# KiCad board visionboard.kicad_pcb (continued)
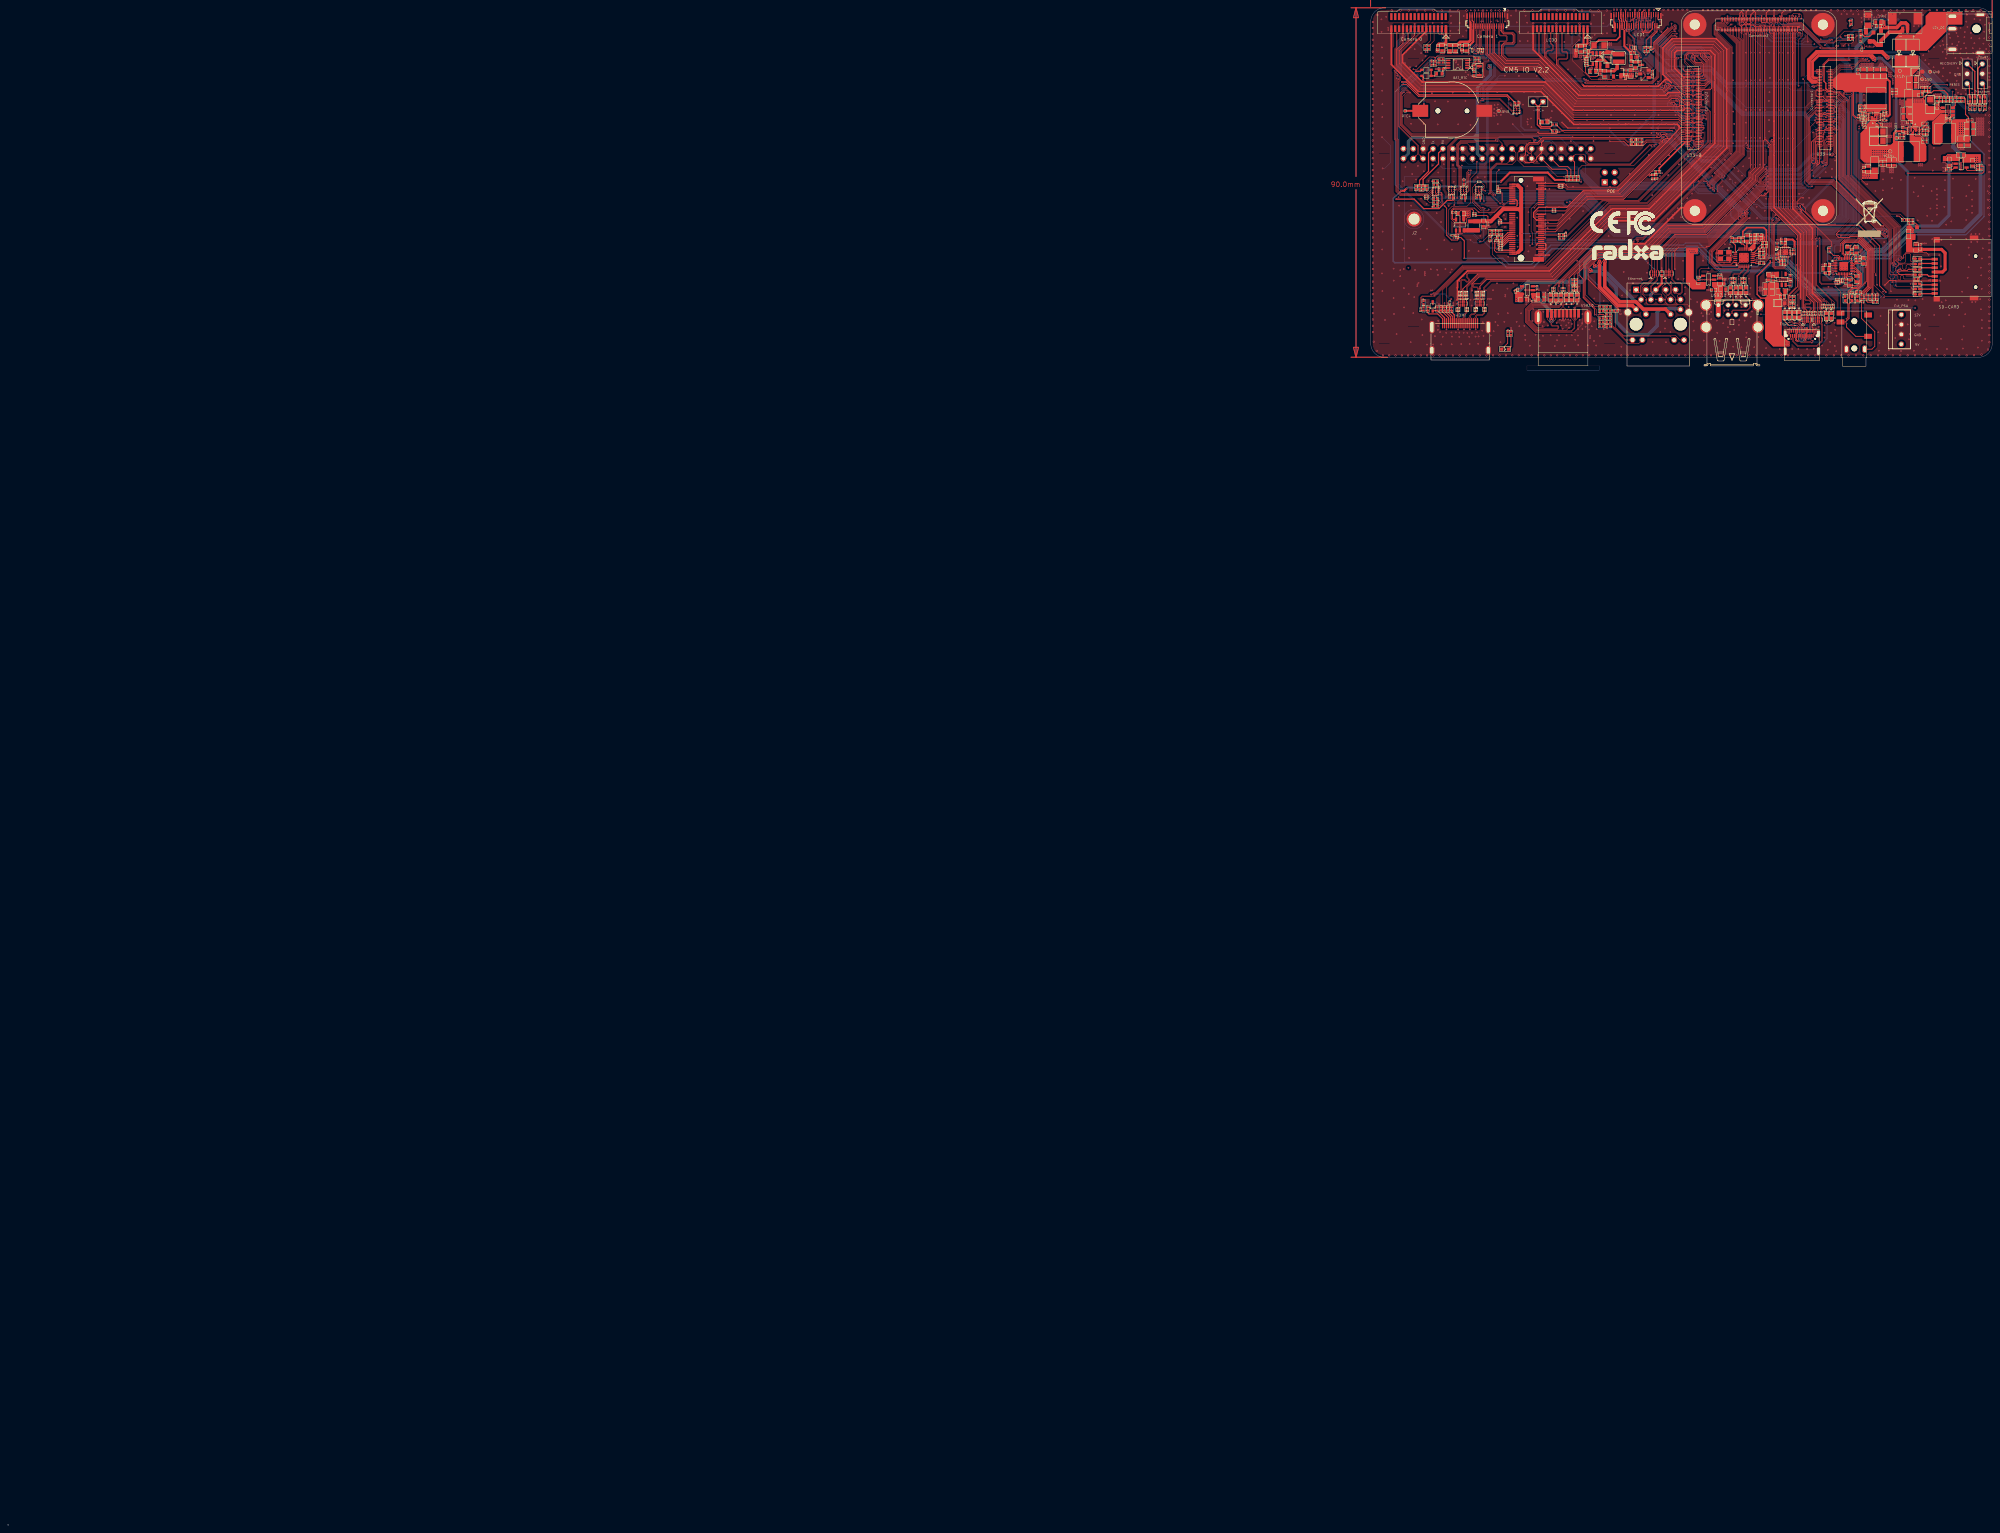
[diagram p0: board, top side]
## Routing (per net, layer and track width the routed paths; a pad name or vN(x,y) marks a point on that pad's centre or on a via; arc(x,y) is an arc through that point) (continued)
USB2_DM: length 5.5
  Top w0.1: U17.9 446.76,323.89 446.91,323.74 446.91,323.39 445.91,322.39 444.49,322.39 444.16,322.06 444.16,321.46 443.96,321.27 L5012.4 443.96,321.09 443.83,320.95 443.83,320.97 R253.1
USB2_DP: length 5.5
  Top w0.1: U17.10 447.26,323.92 447.11,323.77 447.11,323.29 446.01,322.19 444.57,322.19 444.36,321.98 444.36,321.43 444.51,321.27 L5012.3 444.51,321.09 444.64,320.95 444.64,320.97 R254.1
USB3_DM: length 85.3
  Top w0.1: v1(426.96,356.67) 426.96,356.47 414.43,343.94 401.48,343.94 400.86,344.57 FB261.1 ; v1(447.08,337.44) 446.93,337.29 446.93,336.84 438.23,328.14 438.23,325.22 439.73,323.72 445.63,323.72 445.76,323.85 U17.7
  Top w0.2: R95142.2 400.46,344.56 FB261.1
  Bottom w0.1: v1(426.96,356.67) 426.96,356.52 428.08,356.52 447.15,337.45 v1(447.08,337.44)
USB3_DP: length 85.8
  Top w0.1: U17.8 446.26,323.85 445.93,323.52 439.63,323.52 438.03,325.12 438.03,328.24 446.73,336.94 446.73,337.14 v1(446.58,337.29) ; FB261.2 400.61,345.12 401.58,344.14 414.33,344.14 426.46,356.27 v1(426.46,356.52)
  Top w0.2: R95141.2 400.46,345.13 FB261.2
  Bottom w0.1: v1(426.46,356.52) 426.66,356.32 427.98,356.32 446.71,337.59 446.71,337.29 v1(446.58,337.29)
USB4_DM: length 59.5
  Top w0.1: v1(426.41,357.51) 425.46,356.56 421.86,356.56 421.44,356.14 420.73,356.14 420.63,356.04 R95611.2 ; U17.5 444.5,325.68 443.6,324.77 439.78,324.77 439.01,325.55 439.01,327.89 447.93,336.82 447.93,337.87 v1(448.08,338.02)
  Bottom w0.1: v1(426.41,357.51) 426.41,357.66 427.65,357.66 447.23,338.08 448.08,338.08 v1(448.08,338.02)
USB4_DP: length 59.8
  Top w0.1: v1(425.91,357.52) 425.91,357.3 425.38,356.77 421.78,356.77 421.36,356.34 420.73,356.34 420.63,356.44 R95610.1 ; v1(447.8,338.44) 447.73,338.37 447.73,336.9 438.81,327.98 438.81,325.47 439.7,324.57 443.69,324.57 444.29,325.18 U17.6
  Bottom w0.1: v1(447.8,338.44) 447.64,338.28 447.32,338.28 427.74,357.86 426.25,357.86 v1(425.91,357.52)
USB20_HOST0_DM: length 69.6
  Top w0.1: U17.14 449.61,325.68 449.75,325.82 452.85,325.82 453.71,326.68 453.71,355.19 v1(453.46,355.44) ; J24.65 447.96,385.18 447.96,384.69 448.06,384.59 448.06,355.54 v1(447.88,355.37)
  Bottom w0.1: v1(447.88,355.37) 447.81,355.37 447.81,355.29 453.31,355.29 v1(453.46,355.44)
USB20_HOST0_DP: length 68.6
  Top w0.1: J24.63 448.37,384.73 448.26,384.62 448.26,355.07 v1(448.11,354.92) ; v1(453.33,354.94) 453.51,354.77 453.51,326.78 452.75,326.02 449.76,326.02 449.61,326.18 U17.15
  Bottom w0.1: v1(453.33,354.94) 453.18,355.09 448.28,355.09 v1(448.11,354.92)
USB20_HOST1_DM: length 97.5
  Top w0.1: J24.47 451.56,385.18 451.56,384.72 451.66,384.62 451.66,349.87 449.55,347.76 449.55,346.63 436.66,333.74 427.78,333.74 422.23,328.19 409.33,328.19 403.26,322.12 403.26,321.04 R95552.1
USB20_HOST1_DP: length 97.5
  Top w0.1: J24.45 451.97,384.7 451.86,384.59 451.86,349.77 449.75,347.66 449.75,346.55 436.74,333.54 427.86,333.54 422.31,327.99 409.43,327.99 403.46,322.02 403.46,320.99 R95551.1
USB30_2_SSRXN: length 101.1
  Top w0.1: J24.59 449.17,384.68 449.28,384.57 449.28,349.59 448.15,348.46 448.15,347.21 436.09,335.15 427.17,335.15 421.62,329.59 408.56,329.59 397.86,318.89 397.86,318.67 R91181.1
USB30_2_SSRXP: length 101
  Top w0.1: R91182.1 398.06,318.62 398.06,318.79 408.66,329.39 421.7,329.39 427.26,334.95 436.17,334.95 448.35,347.13 448.35,348.36 449.48,349.49 449.48,384.59 449.58,384.69 449.58,385.18 J24.57
USB30_2_SSTXN: length 100.4
  Top w0.1: J24.53 450.36,385.18 450.36,384.69 450.46,384.59 450.46,349.72 448.85,348.11 448.85,346.92 436.38,334.45 427.49,334.45 421.94,328.89 408.98,328.89 400.33,320.24 400.33,318.69 C2280.1
USB30_2_SSTXP: length 100.4
  Top w0.1: J24.51 450.77,384.7 450.66,384.59 450.66,349.62 449.05,348.01 449.05,346.84 436.46,334.25 427.57,334.25 422.02,328.69 409.08,328.69 400.53,320.14 400.53,318.69 C2281.1
USB_HOST_PWREN_H: length 188.1
  Top w0.1: U33.97 469.25,374.39 v1(468.43,374.39) ; v1(474.23,367.92) 474.23,347.69 487.43,334.49 487.43,326.69 v1(487.58,326.54) ; v1(387.83,317.94) R91375.2 ; R95555.1 435.48,323.19 436.01,323.72 v1(437.91,323.72)
  Top w0.2: U90115.4 389.88,318.62 389.66,318.39 R95579.1 388.38,318.39 388.23,318.24 R91375.2 ; U90128.4 436.43,321.77 436.08,321.57 435.96,321.44 R95555.1
  Bottom w0.1: v1(487.58,326.54) 487.16,326.97 485.75,326.97 484.75,325.97 479.24,325.97 477.88,324.61 477.88,318.81 475.64,316.57 464.6,316.57 456.93,324.24 453.69,324.24 451.94,322.49 440.76,322.49 439.53,323.72 v1(437.91,323.72) 437.91,325.31 434.62,328.59 432.75,328.59 431.95,327.79 407.79,327.79 405.03,325.04 405.03,321.75 404.1,320.82 390.71,320.82 v1(387.83,317.94) ; v1(468.43,374.39) 468.43,371.89 468.76,371.57 471.28,371.57 473.53,369.32 473.53,368.42 474.03,367.92 v1(474.23,367.92)
USBC_D+: length 12.2
  Top w0.1: J8202.B6 461.98,306.31 461.98,305.74 v1(461.83,305.59) ; J8202.A6 461.74,308 461.88,308.14 461.88,308.42 460.88,309.42 459.71,309.42 459.21,309.92 459.21,310.57 ESD2706.1 459.26,311.66 459.26,313.46 L90020.3 459.16,313.63 459.02,313.76 459.02,313.74 R95547.2
  Bottom w0.1: v1(461.83,305.59) 461.83,308.24 v1(461.73,308.34)
USBC_D-: length 10.5
  Top w0.1: J8202.B7 461.49,306.68 461.78,306.97 461.96,306.97 462.18,307.19 462.18,307.54 J8202.A7 462.24,307.98 462.08,308.14 462.08,308.52 460.98,309.62 459.81,309.62 459.41,310.02 459.41,310.54 459.96,311.09 ESD27052.1 459.49,311.66 459.49,313.23 459.71,313.44 L90020.4 459.71,313.74 R95546.2
USBHP_1N: length 9.5
  Top w0.1: USB2502.2 399.43,312.85 400.33,313.74 400.33,314.14 400.68,314.49 402.93,314.49 403.18,314.74 403.18,316.23 D90032.1 403.13,317.33 403.13,317.77 403.08,317.82 L90026.3 403.08,318.09 R95553.2
USBHP_1P: length 9.5
  Top w0.1: USB2502.3 401.43,312.85 400.53,313.75 400.53,314.04 400.78,314.29 403.03,314.29 403.43,314.69 403.43,316.2 D90031.1 403.92,316.8 403.63,317.09 L90026.4 403.63,317.98 403.76,318.11 403.76,318.09 R95550.2
VD33: length 3.4
  Top w0.25: U17.20 447.76,329.21 ; 447.76,330.65 C83.2
  Top w0.4: 447.76,329.21 447.76,330.65 C83.2 447.83,330.64 L3.1
WIFI_HOST_WAKE: length 118.9
  Top w0.1: v1(392.53,329.92) 392.53,332.84 392.21,333.17 392.21,338.94 393.87,340.6 U4301.21
  Top w0.2: R95613.1 486.96,337.14 v1(486.36,337.14)
  Bottom w0.1: v1(486.36,337.14) 480.05,337.14 472.52,329.61 472.52,327.58 471.03,326.09 470.31,326.09 469.88,326.52 469.88,329.72 469.68,329.92 454.42,329.92 452.8,331.54 421.66,331.54 420.26,330.14 405.98,330.14 405.91,330.22 393.38,330.22 393.08,329.92 v1(392.53,329.92)
WIFI_LED: length 148.1
  Top w0.1: v1(474.26,375.94) 474.26,375.92 471.7,375.92 469.76,373.98 U33.95 ; R95583.1 384.91,342.99 384.91,340.57 v1(385.16,340.32)
  Bottom w0.1: v1(385.16,340.32) 385.31,340.47 400.33,340.47 401.06,339.74 405.98,339.74 413.56,332.17 453.06,332.17 454.71,330.52 471.51,330.52 475.71,334.72 475.71,370.94 474.11,372.54 474.11,375.79 v1(474.26,375.94)
WIFI_PWR_EN: length 142.4
  Top w0.1: v1(429.36,384.69) 428.45,384.69 424.91,381.15 424.91,372.99 423.31,371.39 406.75,371.39 405.84,372.3 405.84,372.55 v1(405.83,372.54) ; v1(456.28,388.64) 456.38,388.54 456.38,387.84 J24.24 ; R95239.1 371.26,332.19 371.01,332.44 371.01,338.79 371.87,339.64 375.68,339.64 376.63,340.59 376.63,346.92 378.26,348.54 v1(378.26,351.14)
  Power w0.1: v1(429.36,384.69) 429.9,384.69 431.33,383.27 443.18,383.27 444.7,381.74 456.21,381.74 456.36,381.89 456.36,388.57 v1(456.28,388.64)
  Bottom w0.1: v1(378.26,351.14) 378.46,350.94 380.18,350.94 380.66,351.42 380.66,369.61 383.59,372.54 v1(405.83,372.54)
WIFI_REG_ON: length 27
  Top w0.1: v1(393.08,339.32) 393.86,340.1 U4301.23 ; 377.83,345.19 377.06,344.42 377.06,340.72 379.28,338.49 380.96,338.49 v1(381.28,338.82) ; 377.83,345.19 v1(377.83,345.17) ; 377.83,345.19 R95587.2 ; v1(377.86,343.89) U90135.B1
  Bottom w0.1: v1(377.86,343.89) 377.86,345.14 v1(377.83,345.17) ; v1(381.28,338.82) 381.28,339.09 381.51,339.32 v1(393.08,339.32)
WIFI_REG_ON_E: length 121.5
  Top w0.1: R95587.1 379.28,345.94 380.13,345.09 380.13,344.34 379.78,343.99 v1(379.73,344.04) 379.38,344.04 U90135.B3 ; v1(470.21,360.24) 470.07,360.38 U33.27
  Bottom w0.1: v1(379.73,344.04) 379.73,343.57 380.26,343.04 380.73,343.04 380.96,343.27 407.28,343.27 408.36,342.19 416.21,342.19 417.88,343.87 434.2,343.87 435.2,342.87 440.37,342.87 443.48,339.76 443.48,337.21 445.32,335.37 459.21,335.37 471.48,347.64 471.48,359.49 470.73,360.24 v1(470.21,360.24)
XRSTJ: length 2.2
  Top w0.25: U17.16 449.69,326.68 450.03,327.02 450.77,327.02 R106.2
N05021: length 7.5
  Top w0.5: C3.2 425.84,319.71 J3.5
  Bottom w0.8: J3.5 423.05,316.92 J3.4
N05653: length 6.6
  Top w0.051: 410.51,312.79 410.7,312.79 ; 410.55,312.82 410.74,312.82 ; 410.61,312.9 410.8,312.9 ; 410.65,312.57 410.84,312.57 ; 410.53,312.69 410.72,312.69 ; 410.48,312.77 410.67,312.77 ; 410.57,312.86 410.76,312.86 ; 410.65,312.93 410.84,312.93 ; 410.5,312.72 410.69,312.72 ; 410.56,312.67 410.75,312.67 ; 410.47,312.74 410.66,312.74 ; 410.58,312.64 410.77,312.64 ; 410.61,312.6 410.8,312.6
  Top w0.1: R6.2 D4.2 410.78,312.82 410.86,312.74 R8.2 ; R8.2 R5.2 ; R8.2 R9.1
N07070: length 7.8
  Top w0.051: 491.9,321.98 492.09,321.98 ; 491.87,322.08 492.06,322.08 ; 491.97,321.89 492.16,321.89 ; 491.97,322.18 492.16,322.18 ; 491.83,322.03 492.02,322.03 ; 491.95,321.93 492.14,321.93 ; 491.93,322.14 492.12,322.14 ; 491.85,322.06 492.04,322.06 ; 492.01,322.22 492.2,322.22 ; 491.91,322.11 492.1,322.11 ; 492.01,321.85 492.2,321.85 ; 491.86,322 492.05,322 ; 491.92,321.95 492.11,321.95
  Top w0.3: R11.2 492.33,321.52 492.33,322.03 ED12.1 494.21,322.04 494.61,321.64 CN14A1.5
N07124: length 101.8
  Top w0.051: 491.92,316.9 492.11,316.9 ; 491.97,316.84 492.16,316.84 ; 492.01,317.17 492.2,317.17 ; 491.91,317.06 492.1,317.06 ; 491.87,317.03 492.06,317.03 ; 491.86,316.95 492.05,316.95 ; 491.93,317.09 492.12,317.09 ; 491.9,316.93 492.09,316.93 ; 491.83,316.98 492.02,316.98 ; 491.85,317.01 492.04,317.01 ; 491.95,316.88 492.14,316.88 ; 491.97,317.13 492.16,317.13 ; 492.01,316.8 492.2,316.8
  Top w0.1: v1(471.18,332.44) 476.76,332.44 480.48,328.73 480.48,319.37 483.33,316.52 491.87,316.52 ED9.1 ; v1(467.83,381.14) 468.38,381.69 470.18,381.69 470.81,382.32 474.46,382.32 R90334.2 R4203.1
  Top w0.3: ED9.1 492.51,317.16 496.15,317.16 CN14A1.9
  Bottom w0.1: v1(467.83,381.14) 468.06,381.14 473.01,376.19 473.01,372.16 474.71,370.46 474.71,335.6 471.55,332.44 v1(471.18,332.44)
N29602: length 4.3
  Top w0.25: U17.17 449.63,327.18 450.02,327.57 C89.1
  Top w0.3: R94.2 451.93,329.37 451.9,329.37 451.08,328.54 451.11,328.54 R97.2 C89.1
N29722: length 2.2
  Top w0.1: Y1.1 443.23,327.84 444.4,326.68 U17.3
N29870: length 4.9
  Top w0.1: U17.4 444.45,326.18 444.08,326.54 444.08,326.71 443.74,327.04 441.93,327.04 441.58,326.69 441.47,326.14 Y1.3
N29956: length 2
  Top w0.25: R102.1 450.06,324.99 449.87,325.18 U17.13
N42094: length 2.6
  Top w0.25: R147.1 492.53,357.84 491.28,357.84 491.16,357.97 U27.8
N42102: length 0.9
  Top w0.25: C129.1 R147.2
N42228: length 21.1
  Top w0.25: 489.81,356.22 490.86,355.17 490.86,351.27 490.88,351.24 493.51,351.24 493.86,351.59 493.86,355.07 493.23,355.69 C129.2 492.68,356.77 492.68,357.17 492.36,357.49 490.98,357.49 490.66,357.82 U27.7 490.66,358.94 489.81,358.09 489.81,356.22
N42868: length 2.7
  Top w0.25: U27.11 492.61,359.34 R152.2 493.23,359.98 493.22,359.98 494.04,360.8 494.04,360.96 494.03,360.96 R149.1
N42932: length 2.7
  Top w0.5: R151.1 492.93,369.32 C141.1 R154.2 R153.2
N43092: length 2.1
  Top w0.25: R155.2 C143.1
  Top w0.253: U27.6 488.33,358.34 C143.1
N43384: length 8.2
  Top w0.25: v1(488.63,359.87) 488.72,359.84 U27.3 ; R156.1 v1(494.68,359.02)
  Bottom w0.25: v1(488.63,359.87) 488.63,359.69 490.05,358.27 493.93,358.27 v1(494.68,359.02)
N43388: length 2.2
  Top w0.25: R156.2 C144.1 492.83,358.22 492.71,358.34 U27.9
N43676: length 20
  Top w0.25: C145.2 498.01,360.52 498.01,356.22 497.48,355.69 495.88,355.69 495.61,355.97 495.61,361.32 497.68,363.39 497.98,363.39 U29.6
  Top w0.5: U29.6 499.18,363.14 C145.2
N43804: length 1.8
  Top w0.5: C145.1 499.98,362.29 U29.1
N46864: length 14.4
  Top w0.051: 363.62,344.75 363.62,344.94 ; 363.29,344.79 363.29,344.98 ; 363.58,344.72 363.58,344.91 ; 363.53,344.67 363.53,344.86 ; 363.51,344.63 363.51,344.82 ; 363.45,344.62 363.45,344.81 ; 363.43,344.65 363.43,344.84 ; 363.33,344.75 363.33,344.94 ; 363.48,344.61 363.48,344.8 ; 363.4,344.68 363.4,344.87 ; 363.66,344.79 363.66,344.98 ; 363.56,344.7 363.56,344.89 ; 363.37,344.71 363.37,344.9
  Top w0.3: CON1.8 365.81,353.35 365.81,348.67 363.48,346.34 D49.2 R167.1
N46956: length 15.1
  Top w0.051: 364.51,344.72 364.51,344.91 ; 364.38,344.62 364.38,344.81 ; 364.43,344.63 364.43,344.82 ; 364.29,344.71 364.29,344.9 ; 364.41,344.61 364.41,344.8 ; 364.35,344.65 364.35,344.84 ; 364.55,344.75 364.55,344.94 ; 364.58,344.79 364.58,344.98 ; 364.25,344.75 364.25,344.94 ; 364.21,344.79 364.21,344.98 ; 364.33,344.68 364.33,344.87 ; 364.48,344.7 364.48,344.89 ; 364.46,344.67 364.46,344.86
  Top w0.3: CON1.10 368.38,353.38 368.38,350.59 364.41,346.62 D48.2 R168.1
N87861: length 5.4
  Top w0.3: J1.18 369.93,310.97 C1.1 366.88,312.82 D1.2
N113472: length 0.6
  Top w0.1: C90425.1 380.03,316.52 L5003.4
N113574: length 0.7
  Top w0.1: C90426.1 R953.2 379.55,317.07 L5003.3
N113748: length 0.6
  Top w0.1: L5004.4 R954.2 C90427.1
N113850: length 0.6
  Top w0.1: L5004.3 378.03,317.02 R955.2 C90420.1
N114042: length 0.6
  Top w0.1: L5005.4 375.66,316.47 C90421.1
N114144: length 0.6
  Top w0.1: L5005.3 375.18,316.46 C90422.1
N114322: length 0.6
  Top w0.1: C90424.1 374.18,316.44 L5006.4
N114424: length 0.6
  Top w0.1: R959.2 373.68,316.44 C90423.1
N131672: length 5.7
  Top w0.1: U4301.50 384.4,333.35 C90399.1 R95159.1 R95581.2 R95155.2
N131914: length 3.4
  Top w0.25: R95147.2 384.81,330.77 386.39,332.35 U4301.54
N131962: length 3.5
  Top w0.25: U4301.56 386.38,331.85 384.7,330.17 384.58,330.17 R95148.2
N132002: length 3.5
  Top w0.25: U4301.58 386.39,331.35 384.63,329.6 384.58,329.6 R95149.2
N132062: length 3.6
  Top w0.25: R95150.2 384.58,329.02 384.6,329.02 386.43,330.85 U4301.60
N132134: length 2.8
  Top w0.3: U4301.70 384.67,328.35 R95152.2
N132294: length 2.7
  Top w0.5: U90077.3 377.48,333.47
  Top w0.7: 377.48,333.47 L5011.1
N132462: length 2.5
  Top w0.1: R95239.2 C269.1 372.88,332.19
  Top w0.3: R95209.2 C269.1 ; 372.88,332.19 U90077.1
N132478: length 10.1
  Top w0.2: R95210.1 371.95,338.59 372.31,338.94 377.01,338.94 377.33,338.62 R95281.2 C266.2
  Top w0.25: U90077.5 372.2,336.27 371.95,336.52 R95210.1
N135689: length 4.9
  Top w0.1: R95141.1 399.26,345.13 FB261.3 399.11,345.12 398.96,344.97 395.61,344.97 395.48,345.1 U4301.3
N135722: length 5
  Top w0.1: U4301.5 395.51,344.6 395.67,344.77 398.93,344.77 399.13,344.57 FB261.4 399.62,344.57 R95142.1
N135883: length 7.2
  Top w0.1: U4301.35 394.14,337.1 393.98,336.94 393.51,336.94 393.33,337.12 393.33,337.84 393.93,338.44 397.66,338.44 C90392.2
N135887: length 7.9
  Top w0.1: C90393.2 397.66,338.64 393.83,338.64 393.13,337.94 393.13,337.02 393.41,336.74 394.01,336.74 394.15,336.6 U4301.37
N136147: length 4.9
  Top w0.1: U4301.53 395.48,332.6 395.76,332.32 R95144.2
N136159: length 5.1
  Top w0.1: R95146.2 398.9,332.1 U4301.55
N138588: length 2.9
  Top w0.3: R95143.2 384.47,335.35 U4301.42
N139019: length 3.5
  Top w0.25: U4301.52 386.18,332.85 384.85,331.52 R95145.2
N146153: length 6.2
  Top w0.25: R95467.2 423.11,383.12 424.63,384.64 U90104.2
N146193: length 6.8
  Top w0.1: R95468.2 421.81,380.84 421.81,382.52 424.03,384.74 U90104.4
N146409: length 111.7
  Top w0.1: R95469.2 364.36,342.37 358.51,342.37 357.41,343.47 357.41,356.57 357.06,356.92 v1(357.06,374.62) ; U90104.23 418.33,387.77 v1(418.18,387.62)
  Bottom w0.1: v1(418.18,387.62) 418.14,387.58 418.08,387.64 413.33,387.64 411.78,386.09 361.6,386.09 357.61,382.1 357.61,375.17 v1(357.06,374.62)
N146477: length 110.6
  Top w0.1: v1(417.78,387.29) 417.73,387.34 U90104.25 ; R95470.2 364.73,342.57 358.61,342.57 357.61,343.57 357.61,356.67 357.26,357.02 357.26,374.07 v1(357.41,374.22)
  Bottom w0.1: v1(357.41,374.22) 357.81,374.62 357.81,382.02 361.68,385.89 411.88,385.89 413.28,387.29 v1(417.78,387.29)
N146511: length 6.2
  Top w0.1: R95471.2 418.91,380.89 418.91,382.82 417.51,384.22 417.51,386.09 U90104.26
N146519: length 9.1
  Top w0.1: U90104.27 417.13,385.42 417.31,385.24 417.31,384.14 418.71,382.74 418.71,380.89 R95472.2
N16719677: length 6.8
  Top w0.1: J5002.20 379.73,385.24 379.26,384.77 379.26,380.67 379.18,380.59 C750.2 379.76,380.09 R715.2
N16719795: length 9
  Top w0.1: R814.2 378.56,380.82 378.83,381.09 J5002.23
N16719909: length 9.4
  Top w0.1: R95580.2 377.03,380.47 378.03,381.47 378.03,384.94 377.63,385.34 J5002.27
N16722445: length 15.4
  Top w0.2: R95039.1 406.18,374.19 407.26,373.12 409.18,373.12 409.56,373.49 409.56,374.09 C90410.1
  Top w0.6: U90082.6 410.01,374.64 C90410.1 410.16,374.49 C90408.1
  Top w0.7: C90408.1 413.58,374.49 Q9514.3
  Top w0.8: Q9514.3 414.38,376.92 L5000.1
N16722481: length 5.3
  Top w0.6: D5000.1 411.86,379.23 410.01,379.23 U90082.1
  Top w0.8: L5000.2 413.68,378.82 413.13,379.37 D5000.1
N16722531: length 6.9
  Top w0.1: Q9514.1 413.43,372.92 413.98,372.37 416.46,372.37 R95041.2 418.91,372.49 419.31,372.89 R95044.1
N16722773: length 3
  Top w0.2: R95137.2 R95578.2 R95039.2 408.11,375.89 U90082.4
N16722853: length 1
  Top w0.1: R95044.2 420.28,373.79 Q9515.3
N16722887: length 2
  Top w0.4: R95072.2 R95071.1 408.11,379.32 U90082.3
N16723025: length 2.4
  Top w0.1: R95042.2 423.81,373.69 423.81,373.18 423.52,372.89 R95043.1 422.76,372.89 422.68,372.82 Q9515.1
N16723155: length 1.5
  Top w0.4: 406.68,378.24 R95072.1 ; 406.68,378.24 406.33,378.24 C90448.1 ; 406.68,378.24 R95073.2
N16734367: length 2.8
  Top w0.25: R95115.1 478.21,364.44 478.63,364.02 480.01,364.02 480.16,363.87 U1.8
N16734375: length 0.9
  Top w0.25: R95115.2 C90489.1
N16734501: length 13.8
  Top w0.25: R95121.1 477.61,363.7 477.34,363.97 476.66,363.97 476.48,364.15 476.48,365.72 476.61,365.84 477.33,365.84 477.82,365.35 477.81,365.35 C90489.2 478.78,364.37 480.28,364.37 480.66,363.99 U1.7 480.66,362.84 480.96,363.14 481.53,363.14 481.53,363.67 482.31,364.44 482.31,365.27 L5002.1
N16734773: length 2.8
  Top w0.25: R95122.1 477.81,360.14 478.26,360.59 C90487.1 R95114.2 478.86,361.94 U1.12
N16734781: length 2.1
  Top w0.25: C90481.1 476.66,363.19 R95121.2 477.59,363.19 477.59,363.18 478.21,362.57 R95118.1
N16735007: length 2.4
  Top w0.25: R95120.2 R95116.1 478.08,361.87 R95118.2 478.44,362.07 478.82,362.44 U1.11
N16735153: length 9
  Top w0.25: R95113.1 v1(483.86,361.77) ; C90482.1 478.21,363.67 v1(478.56,363.59) 478.71,363.44 U1.9 ; R95119.1 v1(483.88,363.44)
  Bottom w0.25: v1(483.86,361.77) 483.86,363.42 v1(483.88,363.44) 483.73,363.59 v1(478.56,363.59)
N16735287: length 0.9
  Top w0.25: R95113.2 482.96,361.79 482.68,361.79 482.53,361.94 U1.3
N16735291: length 1.4
  Top w0.25: U1.6 482.33,363.44 R95119.2 R95117.1
N16750686: length 1.2
  Top w0.1: R95546.1 459.87,314.54 459.87,314.53 459.71,314.69 L90020.1 459.71,315.34 R91188.2
N16750718: length 1.1
  Top w0.1: R95547.1 459.01,314.54 459.01,314.54 459.16,314.68 L90020.2 459.16,315.39 R91189.2
N16754417: length 1.1
  Top w0.3: R91193.1 392.68,319.09 U90115.3
N16755970: length 1.1
  Top w0.1: R95551.2 403.63,319.72 L90026.1 403.63,319.03 403.77,318.89 403.77,318.89 R95550.1
N16756054: length 1.2
  Top w0.1: R95552.2 403.08,319.67 L90026.2 403.08,319.04 402.92,318.88 402.92,318.89 R95553.1
N16763522: length 6.8
  Top w1.3: C90775.1 440.43,317.88 J8203.5 J8203.1
N16763712: length 1.3
  Top w0.2: R95556.1 440.18,321.77 U90128.3
N16763936: length 14.4
  Top w0.1: J8203.2 443.43,311.72 443.86,312.14 443.86,312.65 444.18,312.97 447.86,312.97 448.46,313.58 448.46,315.35 446.76,317.05 446.76,318.11 ED21.1 446.59,319.08 L90027.3 446.59,320.01 446.46,320.14 446.46,320.12 R249.1
N16763952: length 7.3
  Top w0.1: R253.2 443.82,320.17 443.82,320.18 443.96,320.04 L5012.1 443.96,319.08 ED22.1 444.14,318.11 444.14,314.83 443.53,314.22 J8203.6
N16764114: length 14.5
  Top w0.1: R250.1 447.27,320.12 447.27,320.14 447.14,320.01 L90027.4 447.14,319.08 ED20.1 447.54,318.77 446.97,318.19 446.97,317.13 448.66,315.43 448.66,313.49 447.94,312.77 444.26,312.77 444.06,312.56 444.06,312.12 444.46,311.72 J8203.3
N16764134: length 6.7
  Top w0.1: J8203.7 444.36,314.8 444.36,318.08 ED6.1 444.51,319.12 L5012.2 444.51,320.04 444.66,320.18 444.66,320.17 R254.2
N16766215: length 3.7
  Top w0.2: R396.2 470.08,326.99 471.36,326.99 471.71,326.64 U90129.31
N16766259: length 24.5
  Top w0.2: U90129.28 472.91,326.87 472.31,327.47 472.31,330.02 472.98,330.69 476.61,330.69 479.13,328.17 479.13,318.92 477.31,317.09 C560.1
N16766319: length 23.1
  Top w0.2: U90129.27 473.31,326.89 472.61,327.6 472.61,329.89 473.1,330.39 476.48,330.39 478.83,328.04 478.83,319.04 477.21,317.42 477.01,317.42 C561.1
N16766443: length 1.7
  Top w0.2: U90129.25 474.11,326.87 C563.1
N16766591: length 2.6
  Top w0.2: C564.1 475.81,327.66 474.74,326.58 U90129.24
N16766729: length 3.3
  Top w0.23: U90129.21 475.3,324.43 475.78,324.92 477.86,324.92 C565.1
N16767009: length 1.6
  Top w0.1: R90340.1 471.71,321.32 U90129.10
N16767013: length 2
  Top w0.1: R95558.2 472.43,320.87 R95573.1 472.51,320.95 U90129.12
N16767017: length 2.8
  Top w0.2: C570.1 472.91,321.08 U90129.13
  Top w0.3: C570.1 474.31,320.78 C569.1
N16767025: length 3.5
  Top w0.2: C568.1 474.63,321.62 473.83,321.62 473.71,321.73 U90129.15
N16767069: length 2.2
  Top w0.2: C568.2 475.93,321.62 475.34,322.21 474.11,322.21 U90129.16
N16767177: length 10.3
  Top w0.1: R90340.2 470.71,320.81 R90341.1 ; J15.4 471.88,317.72 v1(470.58,319.02) ; R90341.1 v1(470.31,320.29) ; R90341.1 R90337.2
  Bottom w0.1: v1(470.31,320.29) 470.58,320.02 v1(470.58,319.02)
N16770554: length 4.2
  Top w0.1: Y2.2 378.86,373.89 arc(378.75,374.14) 378.51,374.24 C90615.1 377.48,374.26 376.63,375.11 arc(376.42,375.25) 376.18,375.3 U3.1
N16770682: length 4.2
  Top w0.1: Y2.1 378.86,375.39 arc(378.78,375.22) 378.61,375.14 C90616.1 377.48,374.94 377.26,374.94 arc(377.09,374.98) 376.96,375.07 376.08,375.95 U3.2
N16770702: length 3
  Top w0.3: R95373.2 369.46,373.79 C90617.1 369.76,375.3 U3.8
N16770836: length 4.4
  Top w0.1: R95028.1 R95374.1 367.68,375.95 U3.7
N16770894: length 2.3
  Top w0.1: U3.3 377.53,376.6 R121.2
N16770902: length 1.6
  Top w0.1: U3.6 369.46,376.6 R120.1
N16771020: length 1.6
  Top w0.1: U3.5 369.78,377.25 R95377.1
N16772975: length 14
  Top w0.3: D2.1 364.41,372.93 v1(364.41,372.19) ; U90131.1 364.61,364.24 v1(364.61,366.04)
  Top w0.5: TP16.1 U90131.1
  Bottom w0.3: v1(364.61,366.04) 364.61,371.99 v1(364.41,372.19)
N16776017: length 14.4
  Top w0.051: 507.72,367.47 507.72,367.66 ; 507.93,367.53 507.93,367.73 ; 507.84,367.46 507.84,367.65 ; 507.74,367.43 507.74,367.62 ; 507.68,367.5 507.68,367.69 ; 507.87,367.48 507.87,367.67 ; 507.6,367.57 507.6,367.76 ; 507.79,367.4 507.79,367.59 ; 507.89,367.51 507.89,367.7 ; 507.82,367.42 507.82,367.61 ; 507.64,367.53 507.64,367.73 ; 507.77,367.41 507.77,367.6 ; 507.97,367.57 507.97,367.76
  Top w0.1: R95495.2 508.33,366.12 508.33,367.35 ED4806.1
  Top w0.3: U32.1 507.28,375.23 507.28,368.4 ED4806.1
N16801679: length 5
  Top w0.1: R95570.2 367.23,382.29 J7.4
N16801700: length 4.9
  Top w0.1: R95571.2 366.23,382.22 J7.5
N16808352: length 6.3
  Top w0.2: R95572.2 R158.2 R159.2
  Top w0.25: R95572.2 R160.1 C153.1 497.23,366.24 497.23,365.42 497.61,365.04 U29.4
N16810900: length 3.8
  Top w0.25: U29.3 501.41,365.62 R161.1 C148.2 R157.2
N16815803: length 1.3
  Top w0.2: R2612.1 457.93,319.27 U2603.3
N16815967: length 2.3
  Top w0.1: U2602.5 457.4,325.59 R95599.2 457.27,325.56 R2613.2
N16884567: length 39
  Top w0.1: v1(466.63,380.47) 466.68,380.47 466.98,380.17 477.26,380.17 R9241.2 ; v1(442.78,388.64) 442.78,387.82 J24.92
  Bottom w0.1: v1(442.78,388.64) 443.63,388.64 451.53,380.74 466.36,380.74 v1(466.63,380.47)
N16901877: length 8.9
  Top w0.051: 508.85,367.57 508.85,367.76 ; 508.97,367.47 508.97,367.66 ; 509.14,367.51 509.14,367.7 ; 508.93,367.5 508.93,367.69 ; 508.99,367.43 508.99,367.62 ; 509.12,367.48 509.12,367.67 ; 509.07,367.42 509.07,367.61 ; 509.04,367.4 509.04,367.59 ; 509.02,367.41 509.02,367.6 ; 508.89,367.53 508.89,367.73 ; 509.18,367.53 509.18,367.73 ; 509.09,367.46 509.09,367.65 ; 509.22,367.57 509.22,367.76
  Top w0.1: R95582.2 509.51,365.92 509.51,367.43 ED9203.1
  Top w0.3: ED9203.1 509.03,367.91 508.87,368.07 508.87,370.76 U32.3
N16901998: length 4.3
  Top w0.25: R95583.2 R95598.1 387.36,344.37 U4301.6
N16914632: length 9
  Top w0.051: 505.17,367.47 505.17,367.66 ; 505.32,367.48 505.32,367.67 ; 505.05,367.57 505.05,367.76 ; 505.27,367.42 505.27,367.61 ; 505.19,367.43 505.19,367.62 ; 505.24,367.4 505.24,367.59 ; 505.22,367.41 505.22,367.6 ; 505.09,367.53 505.09,367.73 ; 505.42,367.57 505.42,367.76 ; 505.34,367.51 505.34,367.7 ; 505.13,367.5 505.13,367.69 ; 505.38,367.53 505.38,367.73 ; 505.29,367.46 505.29,367.65
  Top w0.1: R95584.2 505.83,366.19 505.83,367.3 ED9204.1
  Top w0.3: ED9204.1 505.23,367.91 505.07,368.07 505.07,370.67 U90134.3
N16914672: length 14.6
  Top w0.051: 506.65,367.57 506.65,367.76 ; 506.39,367.47 506.39,367.66 ; 506.61,367.53 506.61,367.73 ; 506.57,367.51 506.57,367.7 ; 506.47,367.4 506.47,367.59 ; 506.28,367.57 506.28,367.76 ; 506.54,367.48 506.54,367.67 ; 506.44,367.41 506.44,367.6 ; 506.49,367.42 506.49,367.61 ; 506.32,367.53 506.32,367.73 ; 506.35,367.5 506.35,367.69 ; 506.42,367.43 506.42,367.62 ; 506.52,367.46 506.52,367.65
  Top w0.1: ED9205.1 507.03,367.33 507.03,366.19 R95585.2
  Top w0.3: U90134.1 506.46,374.37 ED9205.1
N16916775: length 6.5
  Top w0.1: R95586.2 384.43,343.17 384.71,342.89 384.71,340.27 385.01,339.97 385.31,339.97 386.19,340.85 U4301.20
N16941764: length 4
  Top w0.2: LED4.2 387.03,303.52 R95602.1
N16946224: length 10.7
  Top w0.3: J10.1 394.23,365.54 394.23,362.21 ED7104.1 394.54,360.84 394.54,360.53 394.91,360.17 397.23,360.17 R7120.2
N16946250: length 11.1
  Top w0.3: R7125.1 396.98,359.77 394.74,359.77 393.83,360.68 393.83,365.5 J10.2
N17002627: length 34.1
  Top w0.1: R95610.2 R95609.2 418.56,356.34 417.12,356.34 416.37,357.09 395.26,357.09 393.98,355.81 391.79,355.81 391.04,355.06 391.04,353.81 391.69,353.17 392.24,353.17 392.35,353.05 CON1.27
N17002814: length 33.3
  Top w0.1: CON1.28 392.35,353.51 392.21,353.37 391.77,353.37 391.24,353.9 391.24,354.98 391.86,355.59 394.06,355.59 395.36,356.89 416.29,356.89 417.04,356.14 418.51,356.14 R95612.1 R95611.1
N17057562: length 2.9
  Top w0.2: R13.1 490.41,336.18 R12.2 491.21,335.32 491.58,334.94 Q1.1
N17076875: length 4.6
  Top w0.2: U2305.4 504.33,349.07 504.53,348.87 506.93,348.87 R95606.2 R2311.2
N17076883: length 1.6
  Top w0.25: U2305.3 501.23,349.64 500.73,349.14 R2322.1
N17101033: length 11.2
  Top w0.9: D37.1 482.31,382.34 484.48,384.52 487.26,384.52 U26.1
  Top w1: D37.1 481.31,381.22 480.4,382.13 479.4,382.13 Q15.3
N17101108: length 4.8
  Top w0.3: R214.1 R215.1 477.46,383.97 478.03,383.39 479.34,383.39 Q15.1
N17101132: length 2.1
  Top w1: Q15.2 478.43,385.77 R353.1
N17122158: length 10.9
  Top w0.2: U33.106 431.72,355.98 431.68,355.94
  Top w0.4: 431.68,355.94 425.23,349.49 R95616.1
N169418181: length 4.3
  Top w0.2: R95603.2 386.18,304.41 LED4.1

## Copper pours and planes (outline as drawn; the poured copper is in the pictures)
3V3_CAM1 on Top (solid shape): 367.91,380.69 369.66,380.69 369.93,380.97 370.63,380.97 370.63,386.27 370.03,386.27 370.03,382.17 369.72,381.86 368.28,381.86 367.91,381.49
5V_CAM on Top (solid shape): 370.91,381.67 370.91,380.76 373.11,380.76 373.38,381.03 373.69,381.03 374.48,381.82 376.3,381.82 376.77,382.29 376.77,387.16 376.48,387.44 376.3,387.44 376.3,382.6 376.03,382.33 373.79,382.33 373.13,381.67
GND on Top: 350.68,391.04 350.68,288.29 511.23,288.29 511.23,391.04
GND on Bottom: 350.08,391.64 350.08,288.29 511.83,288.29 511.83,391.64
GND on GND: 350.48,391.24 350.48,288.29 511.43,288.29 511.43,391.24
GND on Power: 350.28,334.19 350.28,333.24 351.63,333.24 351.63,334.19
GND on Power: 348.46,394.52 348.46,298.69 514.08,298.69 514.08,394.52
VBUS5V0_TYPEC on Top (solid shape): 453.49,319.99 453.19,319.69 453.19,316.68 452.53,316.02 452.53,305.64 454.58,303.59 458.76,303.59 458.76,304.89 458.27,304.89 456.64,306.52 456.64,317.08 456.03,317.69 456.03,319.99
VBUS5V0_TYPEC on Bottom: 457.28,304.94 457.28,303.38 463.31,303.38 463.85,303.92 463.85,304.69 463.22,305.32 463.22,305.81 463.73,306.32 463.73,308.26 463.48,308.51 462.84,308.51 462.47,308.14 462.47,305.26 462.16,304.96 461.62,304.96 461.36,305.22 461.36,307.9 460.98,308.28 460.67,308.28 459.58,307.22 459.58,305.37 459.16,304.94
VBUS5V0_TYPEC on Power: 457.28,304.94 457.28,303.38 463.31,303.38 463.85,303.92 463.85,304.69 463.22,305.32 463.22,305.81 463.73,306.32 463.73,308.26 463.48,308.51 462.84,308.51 462.47,308.14 462.47,305.26 462.16,304.96 461.62,304.96 461.36,305.22 461.36,307.9 460.98,308.28 460.67,308.28 459.58,307.22 459.58,305.37 459.16,304.94
VCC3V3_SD on Top (solid shape): 491.16,332.57 488.76,332.57 488.76,327.92 493.03,327.92 493.03,329.07 490.33,329.07 490.33,330.99 491.16,330.99
VCC3V3_SYS on Top (solid shape): 403.16,380.24 403.16,377.97 404.21,377.97 404.21,380.24
VCC3V3_SYS on Top (solid shape): 500.48,361.32 500.48,356.12 505.11,356.12 505.11,362.07 501.23,362.07
VCC3V3_SYS on Bottom (solid shape): 380.98,376.29 380.98,374.94 382.16,374.94 382.16,376.29
VCC3V3_SYS on Bottom (solid shape): 502.23,360.27 502.23,358.07 503.81,358.07 503.81,360.27
VCC3V3_SYS on Power: 503.91,356.07 503.91,364.82 489.36,364.82 474.89,379.29 441.51,379.29 439.66,377.43 413.77,377.43 411.13,374.79 407.75,374.79 399.41,383.14 366.98,383.14 366.26,382.42 366.26,379.67 366.73,379.2 369.6,379.2 370.21,379.81 372.32,379.81 373.02,379.12 373.02,376.86 376.51,373.37 399.33,373.37 402.28,370.42 413.33,370.42 417.21,374.3 420.86,374.3 422.61,372.56 443.77,372.56 460.26,356.07
VCC3V3_SYS on Power: 413.52,377.09 413.49,377.09 413.49,375.03 426.98,375.03 426.98,376.79 423.69,380.08 416.51,380.08
VCC3V3_WF on Top (solid shape): 389.36,339.79 388.83,339.27 388.83,338.47 389.27,338.03 389.98,338.03 389.98,339.79
VCC5V0_SYS on Top (solid shape): 370.73,380.09 370.73,378.89 371.76,378.89 371.76,380.09
VCC5V0_SYS on Top (solid shape): 374.51,338.39 374.51,337.04 376.38,337.04 376.38,338.39
VCC5V0_SYS on Top (solid shape): 414.93,372.84 418.61,372.84 418.61,373.97 414.93,373.97
VCC5V0_SYS on Top (solid shape): 452.83,322.79 452.83,321.29 456.03,321.29 456.03,322.79
VCC5V0_SYS on Top (solid shape): 457.31,331.34 457.31,329.82 458.03,329.82 458.03,331.34
VCC5V0_SYS on Top (solid shape): 481.88,387.57 481.88,385.47 483.46,385.47 483.46,387.57
VCC5V0_SYS on Top (solid shape): 478.31,359.79 476.99,358.48 476.99,351.92 477.96,350.95 480.38,350.95 480.38,359.82 478.31,359.82
VCC5V0_SYS on Top (solid shape): 479.74,362.74 479.74,361.71 478.86,360.82 478.86,360.52 478.31,359.97 478.31,350.92 488.13,350.92 488.13,356.51 485.86,356.51 484.76,355.4 481.99,355.4 481.67,355.72 481.67,360.43 480.81,361.29 480.81,362.19 480.43,362.19 480.16,362.47 480.16,362.74
VCC5V0_SYS on Bottom (solid shape): 479.83,354.32 479.83,352.12 484.28,352.12 484.28,354.32
VCC5V0_SYS on Bottom (solid shape): 482.23,386.69 482.23,385.47 483.46,385.47 483.46,386.69
VCC5V0_SYS on Power: 479.73,355.79 479.73,334.12 472.93,327.32 433.11,327.32 422.92,337.5 422.92,371.39 420.25,374.06 417.08,374.06 413.24,370.23 401.96,370.23 399.05,373.14 376.18,373.14 372.66,376.65 372.66,379.02 372.06,379.62 370.43,379.62 369.59,378.78 366.58,378.78 356.83,369.03 356.83,319.35 365.43,310.75 409.61,310.75 410.65,311.79 449.03,311.79 449.13,311.69 465.56,311.69 473.97,303.28 490.33,303.28 492.5,305.45 492.5,311.44 501.16,320.18 501.16,355.79
VCC5V0_USB on Top (solid shape): 388.11,317.49 388.11,315.04 390.21,315.04 390.21,317.49
VCC5V0_USB on Top (solid shape): 432.61,328.88 432.61,327.44 435.21,327.44 435.21,328.88
VCC5V0_USB on Top (solid shape): 434.53,320.17 434.53,318.49 437.18,318.49 437.18,320.17
VCC5V0_USB on Top (solid shape): 451.26,332.59 451.26,330.82 452.23,330.82 452.23,332.59
VCC5V0_USB on Top (solid shape): 477.36,349.02 477.36,346.69 481.48,346.69 481.48,349.02
VCC5V0_USB on Top (solid shape): 433.21,328.87 432.07,328.87 432.07,319.88 433.69,318.26 437.03,318.26 437.03,319.95 434.3,319.95 433.21,321.04
VCC5V0_USB on Bottom (solid shape): 388.12,316.27 388.12,314.96 389.4,314.96 389.4,316.27
VCC5V0_USB on Bottom (solid shape): 432.78,328.37 432.78,327.22 435.19,327.22 435.19,327.66 434.48,328.37
VCC5V0_USB on Bottom (solid shape): 432.93,328.19 432.24,327.51 432.24,327.07 433.43,327.07 433.43,328.19
VCC5V0_USB on Power: 433.29,327.42 472.91,327.42 479.66,334.17 479.66,348.97 470.53,348.97 470.53,337.94 468.73,336.14 433.76,336.14 432.77,335.16 432.77,327.94
VCC5V0_USB1 on Top (solid shape): 392.28,317.24 392.28,316.17 393.14,315.31 394.16,315.31 394.16,317.24
VCC5V0_USB1 on Top (solid shape): 397.08,312.72 397.08,310.47 397.36,310.19 397.53,310.19 397.89,310.56 397.89,310.84 397.79,310.95 397.79,312.72
VCC5V0_USB1 on Bottom (solid shape): 392.54,316.51 392.54,315.22 393.9,315.22 393.9,316.51
VCC5V0_USB1 on Bottom (solid shape): 396.83,310.99 396.83,309.71 398.04,309.71 398.04,310.99
VCC12V on Top (solid shape): 488.86,367.44 488.86,362.5 490.49,360.87 490.49,359.91 491.11,359.29 491.11,359.09 491.55,359.09 491.55,360.02 491.81,360.27 492.57,360.27 494.21,361.91 495.67,361.91 497.58,363.82 498.68,363.82 498.68,364.42 497.66,364.42 496.76,365.32 494.69,365.32 493.72,366.29 493.72,366.91 493.18,367.44
VCC12V on Power (solid shape): 490.04,367.52 490.04,366.53 491.06,365.52 493.73,365.52 493.73,367.52
VCC12V_DCIN on Top (solid shape): 485.83,378.54 485.83,367.72 492.36,367.72 492.36,369.62 490.51,369.62 490.51,373.54 491.94,374.98 491.94,378.54
VCC_1V8_S0 on Power (solid shape): 480.01,378.12 480.01,377.02 480.93,377.02 480.93,378.12
VCC_3V3_S0 on Top (solid shape): 498.23,352.57 498.23,351.34 502.03,351.34 502.03,352.57
VCC_3V3_S0 on Top (solid shape): 500.01,353.04 500.01,351.39 502.53,351.39 502.53,353.04
VCC_3V3_S3 on Top (solid shape): 503.23,353.09 503.23,350.92 508.01,350.92 508.01,353.09
VCC_3V3_S3 on Top (solid shape): 488.88,332.79 490.78,332.79 490.78,333.84 489.99,334.63 488.88,334.63
VCC_3V3_S3 on Top (solid shape): 483.23,378.02 483.91,377.34 484.06,377.34 484.58,377.87 484.58,378.12 483.96,378.74
VCC_3V3_S3 on Bottom (solid shape): 506.18,352.82 506.18,350.97 507.88,350.97 507.88,352.82
VCC_3V3_S3 on Bottom (solid shape): 483.16,378.09 483.88,377.37 484.26,377.37 484.63,377.74 484.71,377.67 484.71,378.64 483.16,378.64
VCC_3V3_S3 on Bottom (solid shape): 491.48,333.79 490.23,333.79 489.68,333.24 489.68,332.47 490.23,332.47 490.66,332.89 491.48,332.89
VCC_LEDA on Top (solid shape): 413.43,387.37 413.43,384.57 413.96,384.57 413.96,386.84
VCC_MIPI on Top (solid shape): 403.72,380.61 406.59,380.61 406.59,381.58 404.14,381.58 403.72,381.16
VCC_SYSIN on Top (solid shape): 469.96,372.32 469.96,370.32 475.48,370.32 476.73,369.07 483.61,369.07 483.61,373.93 471.57,373.93
VCC_SYSIN on Top (solid shape): 470.06,370.37 470.81,369.62 472.43,369.62 472.92,369.13 477.71,369.13 477.71,372.17 470.08,372.17 470.08,370.37
N28976 on Top (solid shape): 448.21,328.22 449.33,328.22 450.01,328.89 450.01,332.02 450.83,332.02 450.83,332.77 449.33,332.77 449.33,329.99 448.21,328.87
N42228 on Top (solid shape): 490.61,358.92 489.79,358.11 489.79,356.19 490.82,355.16 490.82,351.27 493.53,351.27 493.88,351.62 493.88,355.57 493.31,356.14 493.31,356.17 492.64,356.83 492.64,357.22 492.35,357.51 490.93,357.51 490.71,357.73 490.71,358.92
N43540 on Top (solid shape): 503.26,389.74 494.88,389.74 493.78,388.64 493.78,386.52 491.18,383.92 486.83,383.92 485.96,383.05 485.96,379.72 494.11,379.72 499.08,384.69 499.08,385.87 499.66,386.45 503.26,386.45
N43676 on Top (solid shape): 497.55,363.32 495.6,361.37 495.6,355.94 495.88,355.66 497.46,355.66 498.07,356.27 498.07,360.48 499.21,361.62 499.21,363.32
N132294 on Top (solid shape): 374.81,334.02 374.81,332.92 378.98,332.92 378.98,334.02
N16734501 on Top (solid shape): 480.59,363.12 481.56,363.12 481.56,363.59 482.38,364.42 483.88,364.42 483.88,365.97 477.86,365.97 477.86,365.27 478.77,364.36 480.18,364.36 480.59,363.95
N16763522 on Top (solid shape): 438.79,320.14 438.79,319 439.44,318.34 439.44,316.03 440.01,315.47 440.73,315.47 441.66,316.39 441.66,318.94 442.21,319.49 442.21,320.14

Small or netless copper shapes (teardrops, artwork), in the pictures only: 15 on Top, 1 on Bottom, 3 on Power

## Text on the board
Top: 90.0mm | 160.1mm
Silkscreen Top: RTC+ | BAT_RTC | GND | -MIC+ | USB3.0 | Ethernet | Connector3 | FAN | VCC5V | VCC12V | Ext_PSU | 12V | 5V | 12V_DC | RECOVERY | RESET | Maskrom | Power | TX | RX | Connector2 | Connector1 | LDO5V | Camera 0 | J2 | HDMI | Camera 1 | LCD0 | POE | LCD1 | U33-B | USB2.0 | TYPE-C | U33-A | SD-CARD | - | + | CM5 IO V2.2
